# Altium PCB myAMP.PcbDoc
Units mm, origin at the board's own origin, x right, y up, seen from the top; angles counter-clockwise.
Board outline 94.49 x 110.62 mm, 2 copper layers (Top Layer, Bottom Layer); 116 components, 65 nets, 304 pads, 505 vias.
Unrouted connection lines stored in the file: 10.
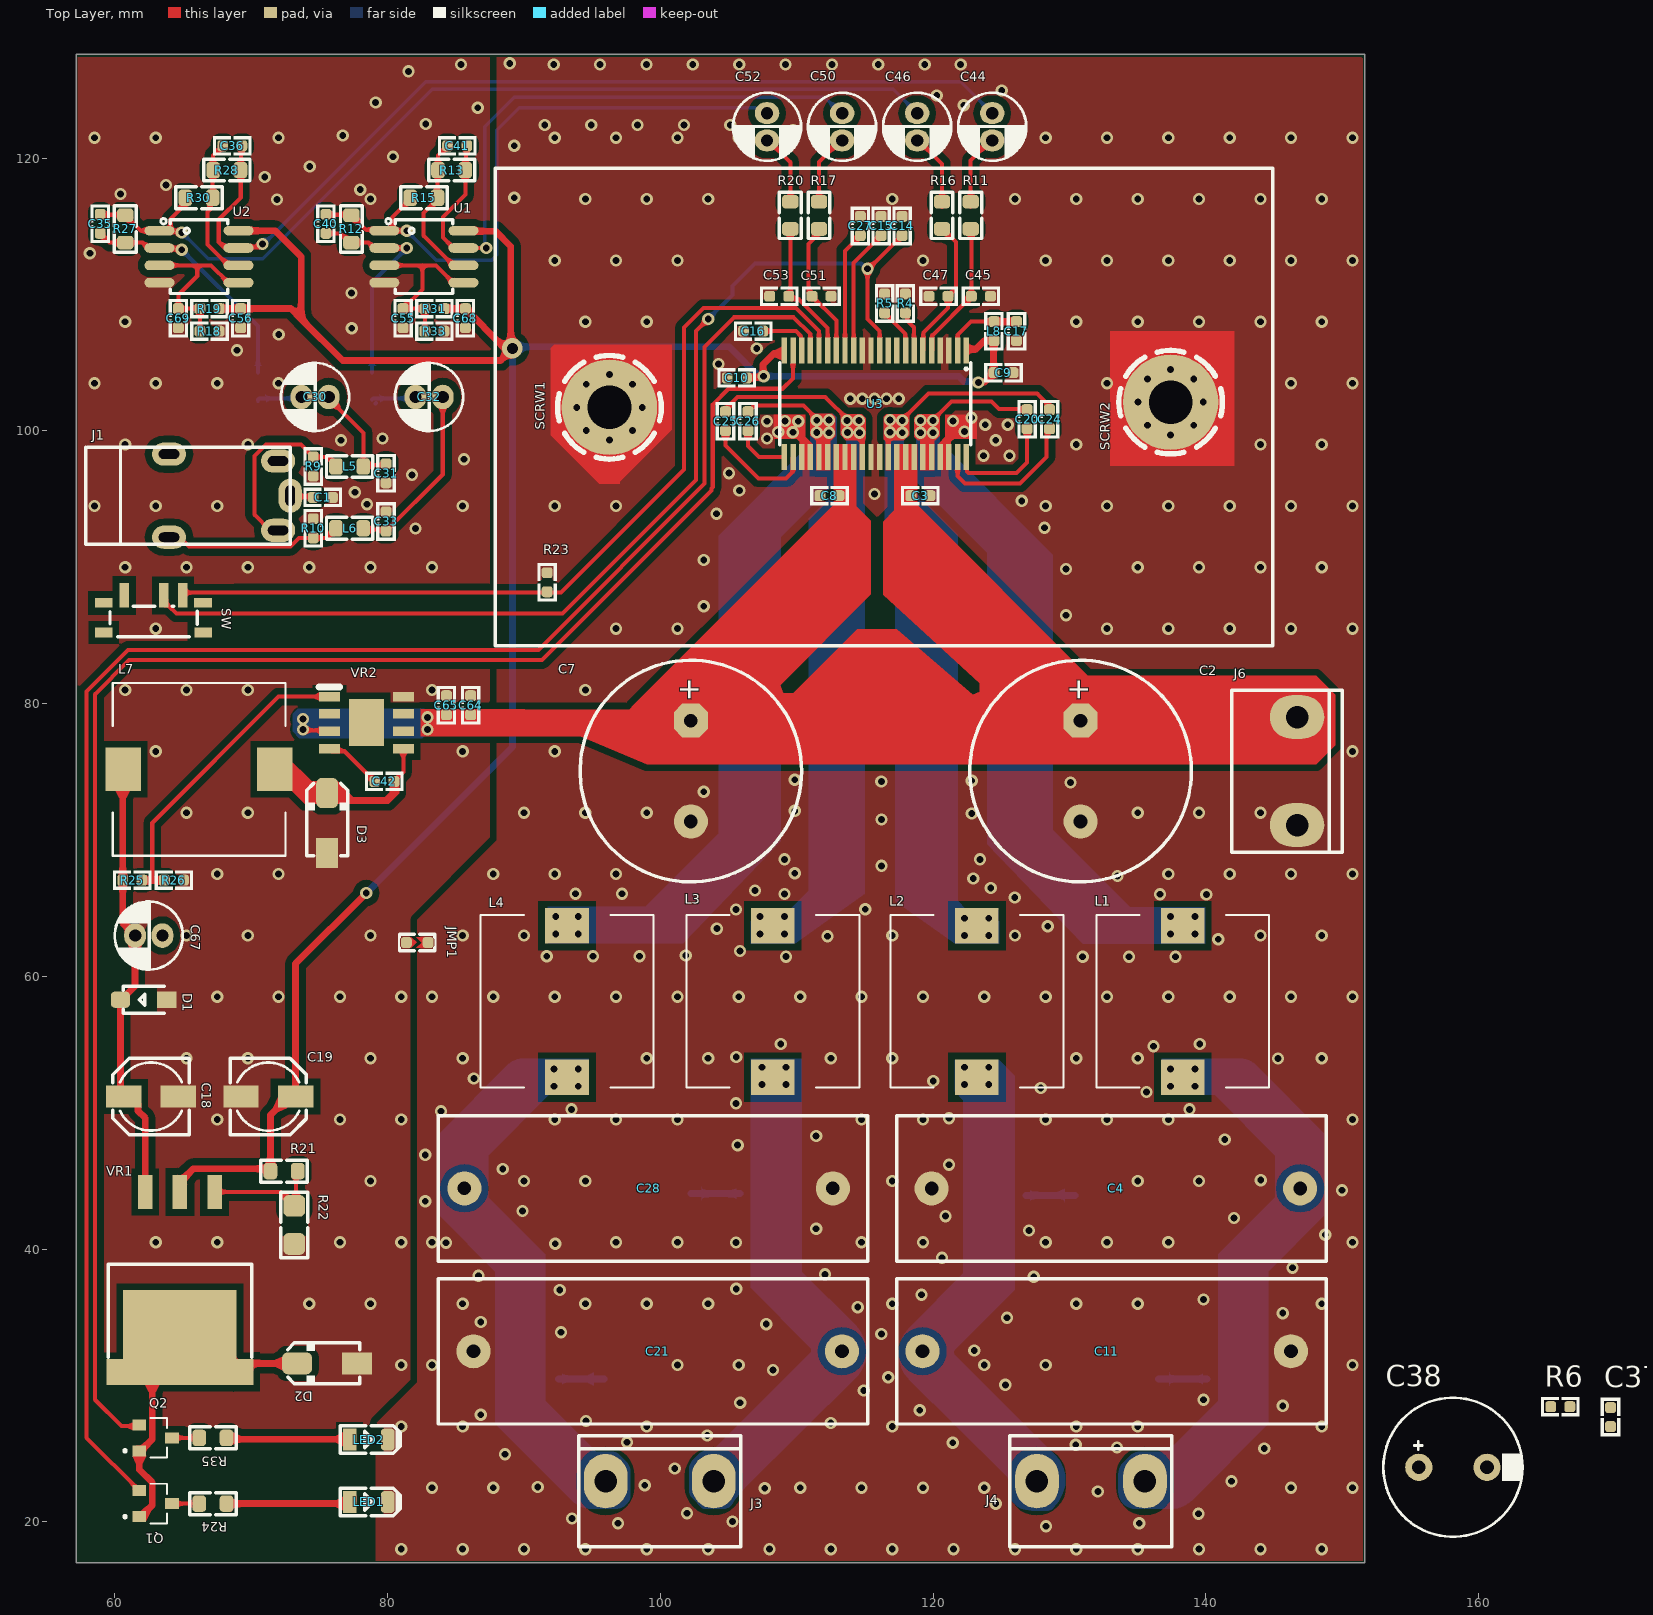
[diagram p0: Top Layer view]
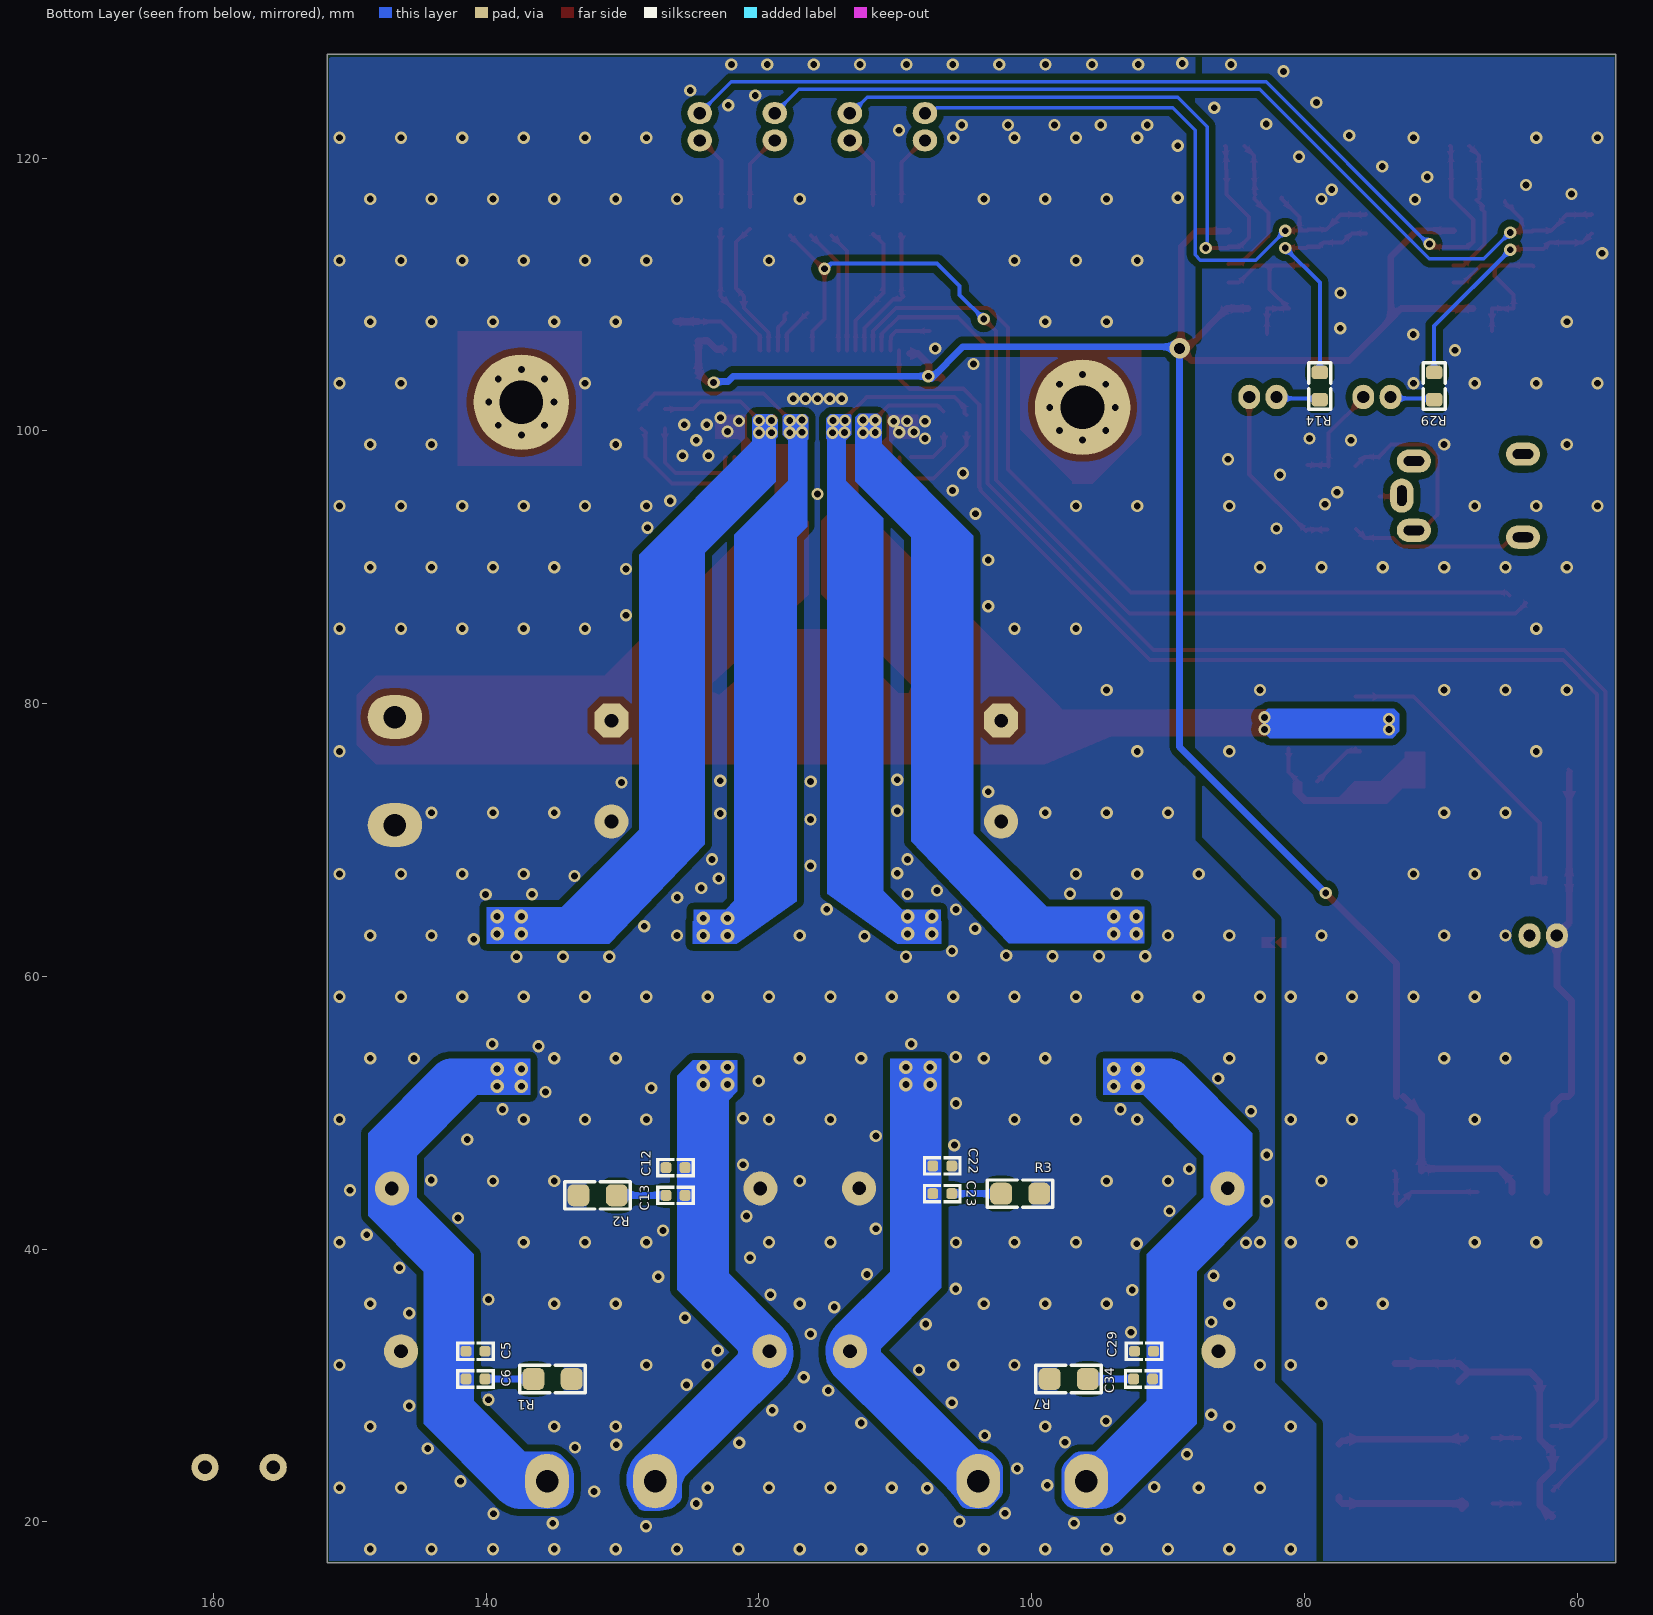
[diagram p1: Bottom Layer view, seen from below]
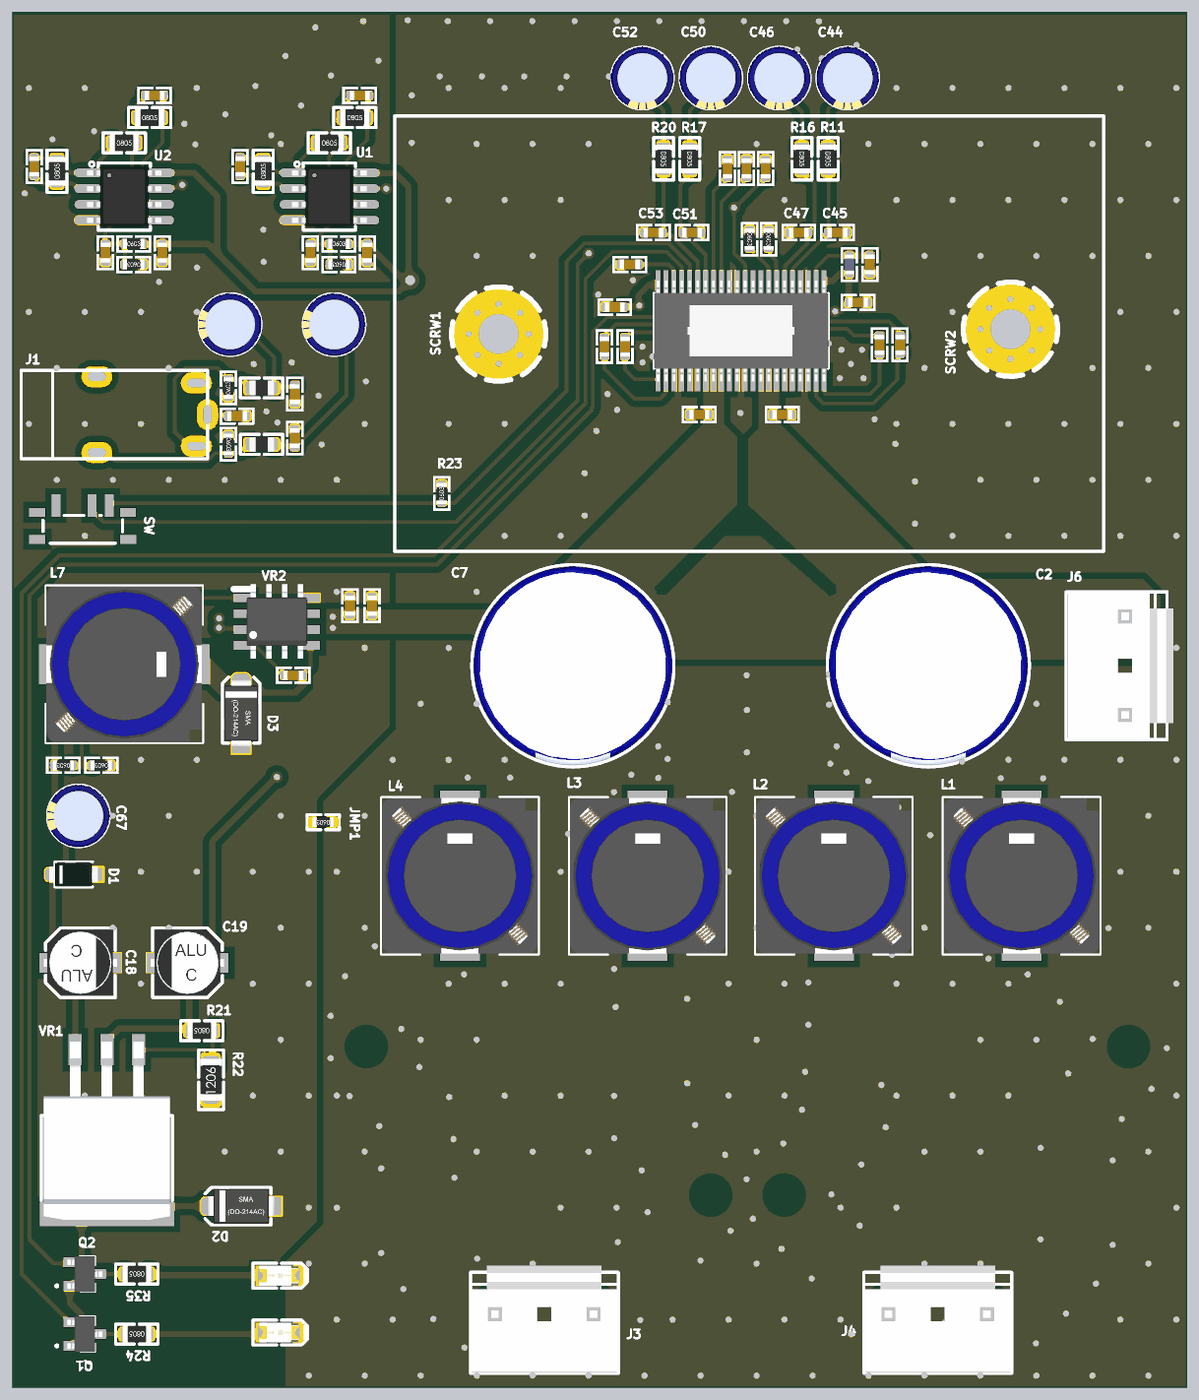
[diagram p2: 3D render of the assembled board from above, using the file's embedded part models]
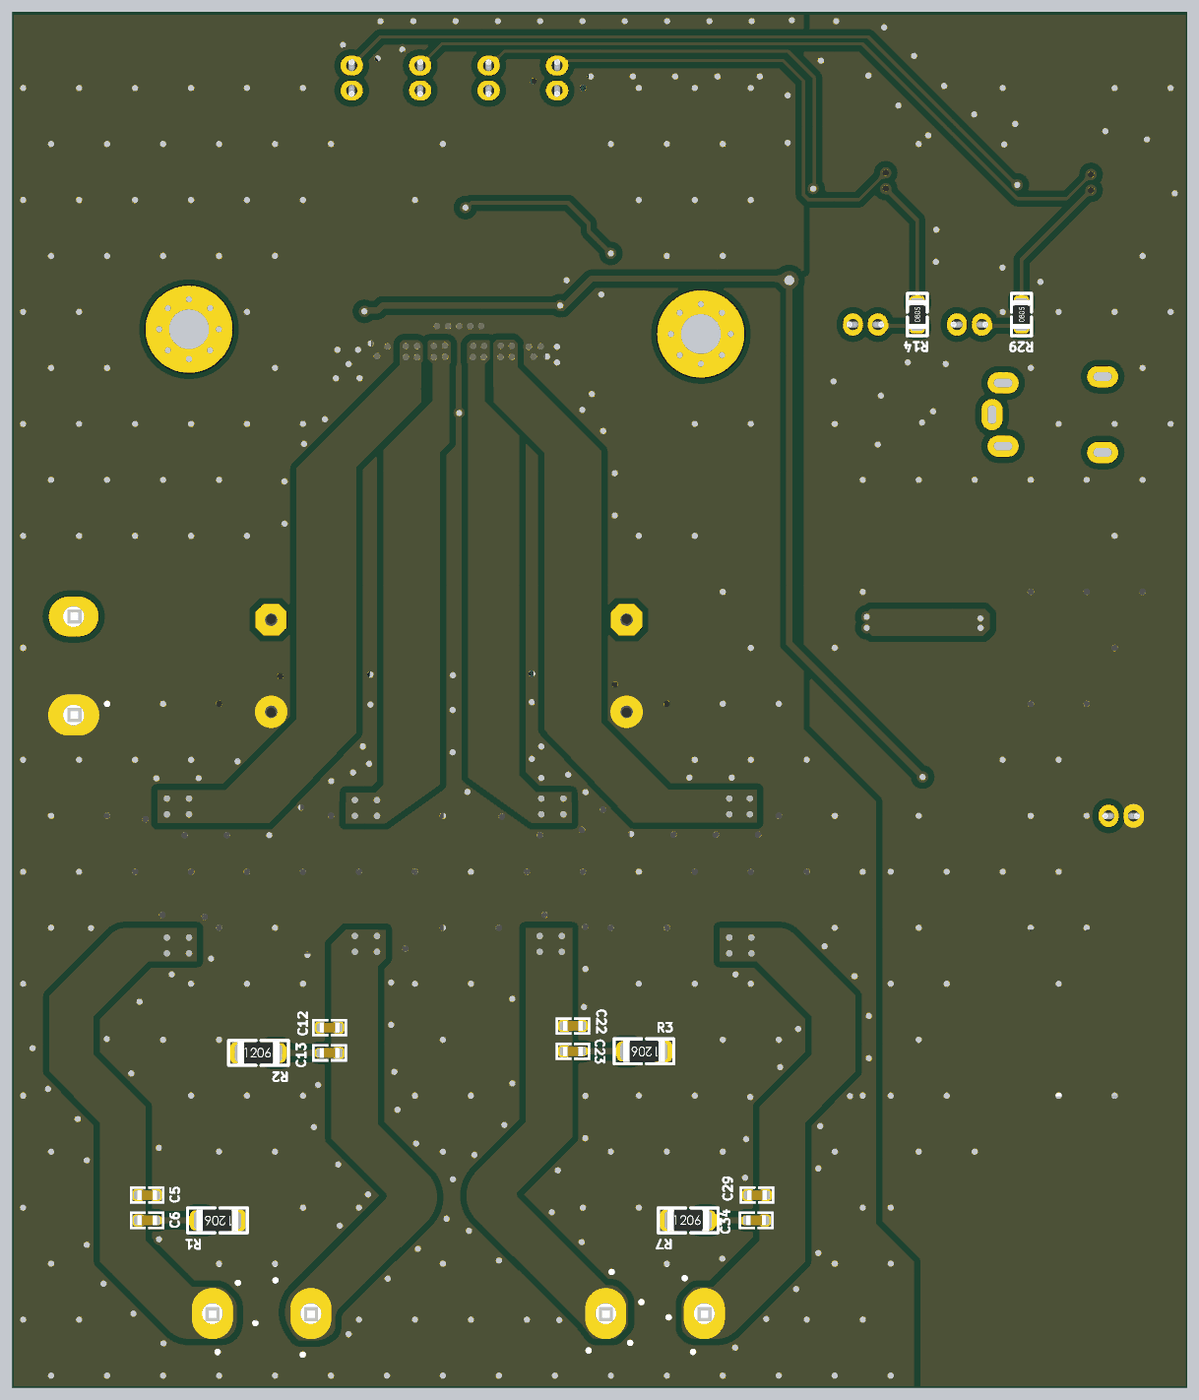
[diagram p3: 3D render of the assembled board from below, using the file's embedded part models]

## Layer stack, top to bottom
Top Solder: solder mask 0.0102, Solder Resist, Dk 3.5
Top Layer: signal copper 0.0356
Dielectric 1: dielectric 0.32, FR-4, Dk 4.8
Bottom Layer: signal copper 0.0356
Bottom Solder: solder mask 0.0102, Solder Resist, Dk 3.5

## Board outline
57.15,17.018 57.15,127.635 151.638,127.635 151.638,17.018

## Design rules (kind name [scope] priority, off if disabled: settings)
Clearance [All] p1: gap=0.2 ignorepadtopadclearanceinfootprint=TRUE except(0.3: Arc-Track Track-Track; 0.5: Arc-Poly Track-Poly SMDPad-Poly THPad-Poly Via-Poly Fill-Poly Poly-Poly Poly-Region Poly-Text Poly-Hole)
Height [All] p1 off: minheight=0 maxheight=25.4 prefheight=12.7
PolygonConnect [All] p1: connectstyle=Direct reliefconductorwidth=0.254 reliefentries=4 polygonreliefangle="90 Angle" airgapwidth=0.254
RoutingVias [All] p1: holewidth=0.5 width=0.9 viastyle="Through Hole" minholewidth=0.5 minwidth=0.9 maxholewidth=0.5 maxwidth=0.9
SolderMaskExpansion [All] p1: expansion=0.05 istentingtop=FALSE
SupplyNets "Schematic Supply Nets_4" [InNet('GNDB')] p1: voltage=0.000
SupplyNets "Schematic Supply Nets_3" [InNet('+36')] p2: voltage=0.000
SupplyNets "Schematic Supply Nets_2" [InNet('GNDA')] p3: voltage=0.000
SupplyNets "Schematic Supply Nets_1" [InNet('+13.5')] p4: voltage=0.000
SupplyNets "Schematic Supply Nets" [InNet('+12')] p5: voltage=0.000
Width [All] p1: maxlimit=0.5 minlimit=0.254 preferedwidth=0.3 minimp=50.000000 maximp=50.000000 favimp=50.000000
29 further rules are at their usual default settings.

## Classes and differential pairs
net class VR2_Nets: +36 FB GNDA NetC42_1 NetC42_2 NetVR2_2 NetVR2_6 NetVR2_7 NetVR2_9
net class VR1_Nets: +12 +13.5 NetR21_1
net class U3_Nets: +12 +36 AMP_CLIP AMP_FAULT AMP_RESET AUDIO_TPAIN_L_M AUDIO_TPAIN_L_P AUDIO_TPAIN_R_M AUDIO_TPAIN_R_P AUDIO_W_L_M++ AUDIO_W_L_P++ AUDIO_W_R_M++ AUDIO_W_R_P++ DVDD GNDB NetC15_1 NetC16_1 NetC17_1 NetC20_2 NetC24_2 NetC25_2 NetC26_2 NetC27_1 NetR4_2 NetR5_2 NetU3_9 NetU3_10
net class U2_Nets: +12 AUDIO_R_M AUDIO_R_P GNDA NetC35_2 NetC36_2 NetC69_1
net class U1_Nets: +12 AUDIO_L_M AUDIO_L_P GNDA NetC40_2 NetC41_2 NetC55_1
net class SW_Nets: AMP_RESET DVDD NetSW_3 NetSW_4
net class SCRW2_Nets: GNDB
net class SCRW1_Nets: GNDB
net class R35_Nets: NetLED2_1 NetQ2_3
net class R33_Nets: GNDA NetC55_1
net class R31_Nets: +12 NetC55_1
net class R30_Nets: AUDIO_R_M NetC36_2
net class R29_Nets: AUDIO_R+ NetC35_2
net class R28_Nets: AUDIO_R_P NetC36_2
net class R27_Nets: AUDIO_R_M NetC35_2
net class R26_Nets: FB GNDA
net class R25_Nets: +13.5 FB
net class R24_Nets: NetLED1_1 NetQ1_3
net class R23_Nets: AMP_RESET GNDB
net class R22_Nets: GNDA NetR21_1
net class R21_Nets: +12 NetR21_1
net class R20_Nets: AUDIO_TPAIN_L_M NetC52_2
net class R19_Nets: +12 NetC69_1
net class R18_Nets: GNDA NetC69_1
net class R17_Nets: AUDIO_TPAIN_L_P NetC50_2
net class R16_Nets: AUDIO_TPAIN_R_M NetC46_2
net class R15_Nets: AUDIO_L_M NetC41_2
net class R14_Nets: AUDIO_L+ NetC40_2
net class R13_Nets: AUDIO_L_P NetC41_2
net class R12_Nets: AUDIO_L_M NetC40_2
net class R11_Nets: AUDIO_TPAIN_R_P NetC44_2
net class R10_Nets: AUDIO_L GNDA
net class R9_Nets: AUDIO_R GNDA
net class R7_Nets: GNDB NetC34_2
net class R6_Nets: FB NetC37_1
net class R5_Nets: GNDB NetR5_2
net class R4_Nets: GNDB NetR4_2
net class R3_Nets: GNDB NetC23_2
net class R2_Nets: GNDB NetC13_2
net class R1_Nets: GNDB NetC6_2
net class Q2_Nets: AMP_CLIP DVDD NetQ2_3
net class Q1_Nets: AMP_FAULT DVDD NetQ1_3
net class LED2_Nets: GNDB NetLED2_1
net class LED1_Nets: GNDB NetLED1_1
net class L8_Nets: +12 NetC17_1
net class L7_Nets: +13.5 NetC42_2
net class L6_Nets: AUDIO_L NetC32_1
net class L5_Nets: AUDIO_R NetC30_1
net class L4_Nets: Audio_OUT_L_M AUDIO_W_L_M++
net class L3_Nets: Audio_OUT_L_P AUDIO_W_L_P++
net class L2_Nets: Audio_OUT_R_M AUDIO_W_R_M++
net class L1_Nets: Audio_OUT_R_P AUDIO_W_R_P++
net class JMP1_Nets: GNDA GNDB
net class J6_Nets: +36 GNDB
net class J4_Nets: Audio_OUT_R_M Audio_OUT_R_P
net class J3_Nets: Audio_OUT_L_M Audio_OUT_L_P
net class J1_Nets: AUDIO_L AUDIO_R NetC1_2 NetJ1_2
net class D3_Nets: GNDA NetC42_2
net class D2_Nets: +12 GNDA
net class D1_Nets: +13.5 GNDA
net class C69_Nets: GNDA NetC69_1
net class C68_Nets: +12 GNDA
net class C67_Nets: +13.5 GNDA
net class C65_Nets: +36 GNDA
net class C64_Nets: +36 GNDA
net class C56_Nets: +12 GNDA
net class C55_Nets: GNDA NetC55_1
net class C53_Nets: AUDIO_TPAIN_L_M GNDB
net class C52_Nets: AUDIO_L_M NetC52_2
net class C51_Nets: AUDIO_TPAIN_L_P GNDB
net class C50_Nets: AUDIO_L_P NetC50_2
net class C47_Nets: AUDIO_TPAIN_R_M GNDB
net class C46_Nets: AUDIO_R_M NetC46_2
net class C45_Nets: AUDIO_TPAIN_R_P GNDB
net class C44_Nets: AUDIO_R_P NetC44_2
net class C42_Nets: NetC42_1 NetC42_2
net class C41_Nets: AUDIO_L_P NetC41_2
net class C40_Nets: AUDIO_L_M NetC40_2
net class C38_Nets: +13.5 GNDA
net class C37_Nets: +13.5 NetC37_1
net class C36_Nets: AUDIO_R_P NetC36_2
net class C35_Nets: AUDIO_R_M NetC35_2
net class C34_Nets: Audio_OUT_L_M NetC34_2
net class C33_Nets: GNDA NetC32_1
net class C32_Nets: AUDIO_L+ NetC32_1
net class C31_Nets: GNDA NetC30_1
net class C30_Nets: AUDIO_R+ NetC30_1
net class C29_Nets: Audio_OUT_L_M GNDB
net class C28_Nets: Audio_OUT_L_M GNDB
net class C27_Nets: GNDB NetC27_1
net class C26_Nets: AUDIO_W_L_M++ NetC26_2
net class C25_Nets: AUDIO_W_L_P++ NetC25_2
net class C24_Nets: AUDIO_W_R_M++ NetC24_2
net class C23_Nets: Audio_OUT_L_P NetC23_2
net class C22_Nets: Audio_OUT_L_P GNDB
net class C21_Nets: Audio_OUT_L_P GNDB
net class C20_Nets: AUDIO_W_R_P++ NetC20_2
net class C19_Nets: +12 GNDA
net class C18_Nets: +13.5 GNDA
net class C17_Nets: GNDB NetC17_1
net class C16_Nets: GNDB NetC16_1
net class C15_Nets: GNDB NetC15_1
net class C14_Nets: DVDD GNDB
net class C13_Nets: Audio_OUT_R_M NetC13_2
net class C12_Nets: Audio_OUT_R_M GNDB
net class C11_Nets: Audio_OUT_R_M GNDB
net class C10_Nets: +12 GNDB
net class C9_Nets: +12 GNDB
net class C8_Nets: +36 GNDB
net class C7_Nets: +36 GNDB
net class C6_Nets: Audio_OUT_R_P NetC6_2
net class C5_Nets: Audio_OUT_R_P GNDB
net class C4_Nets: Audio_OUT_R_P GNDB
net class C3_Nets: +36 GNDB
net class C2_Nets: +36 GNDB
net class C1_Nets: GNDA NetC1_2

## Components (designator, comment, footprint, x,y, rotation, side; value= is the part's Value field where it differs from the comment)
C1 "220pF" C_0603_2 75.246,95.123 r180 top
C2 "" C_16X40 130.81,75.057 r270 top value="2700uF 50V"
C3 "1uF" C_0603_2 119.064,95.25 r0 top
C4 "" C_MKP_THT -406.813,41.023 r180 top value="1uF 250V"
C5 "" C_0603_2 140.781,32.512 r180 bottom value="1000pF 50V"
C6 "GRM1885C1H103JA01D" C_0603_2 140.781,30.48 r180 bottom value="10000pF 50V"
C7 "a" C_16X40 102.235,75.057 r270 top value="2700uF 50V"
C8 "1uF" C_0603_2 112.395,95.25 r180 top
C9 "100nF" C_0603_2 125.16,104.267 r0 top
C10 "100nF" C_0603_2 105.602,103.886 r180 top
C11 "PHE426HD7100JR06L2" C_MKP_THT 672.941,35.939 r0 top value="1uF 250V"
C12 "" C_0603_2 126.111,45.974 r0 bottom value="1000pF 50V"
C13 "GRM1885C1H103JA01D" C_0603_2 126.111,43.942 r0 bottom value="10000pF 50V"
C14 "1uF" C_0603_2 117.729,115.027 r90 top
C15 "1uF" C_0603_2 116.186,115.027 r90 top
C16 "100nF" C_0603_2 106.807,107.315 r180 top
C17 "100nF" C_0603_2 126.111,107.315 r270 top
C18 "10uF" C_EL_5 62.643,51.188 r0 top value="470uF 50V"
C19 "10uF" C_EL_5 71.247,51.181 r180 top value="470uF 50V"
C20 "33nF" C_0603_2 126.89,100.857 r270 top
C21 "PHE426HD7100JR06L2" C_MKP_THT -440.404,29.081 r180 top locked value="1uF 250V"
C22 "" C_0603_2 106.553,46.101 r180 bottom value="1000pF 50V"
C23 "GRM1885C1H103JA01D" C_0603_2 106.553,44.069 r180 bottom value="10000pF 50V"
C24 "33nF" C_0603_2 128.541,100.857 r270 top
C25 "33nF" C_0603_2 104.775,100.711 r270 top
C26 "33nF" C_0603_2 106.426,100.711 r270 top
C27 "47nF" C_0603_2 114.662,115.027 r90 top
C28 "PHE426HD7100JR06L2" C_MKP_THT 639.35,47.881 r0 top value="1uF 250V"
C29 "" C_0603_2 91.756,32.512 r0 bottom value="1000pF 50V"
C30 "10uF" C_5X11 74.676,102.489 r270 top
C31 "15pF" C_0603_2 79.883,96.892 r90 top
C32 "10uF" C_5X11 83.042,102.489 r270 top
C33 "15pF" C_0603_2 79.883,93.356 r270 top
C34 "GRM1885C1H103JA01D" C_0603_2 91.821,30.48 r0 bottom value="10000pF 50V"
C35 "22pF" C_0603_2 58.928,115.189 r270 top value=15pF
C36 "22pF" C_0603_2 68.607,120.904 r180 top value=15pF
C37 "100nF" C_0603_2 169.672,27.686 r90 top value=10uF
C38 "470uF" C_10X12 158.115,24.003 r0 top value=10uF
C40 "22pF" C_0603_2 75.476,115.189 r270 top value=15pF
C41 "22pF" C_0603_2 85.098,120.904 r180 top value=15pF
C42 "Cap" C_0603_2 79.756,74.295 r0 top value=100nF
C44 "10uF" C_5X11 124.333,122.301 r0 top
C45 "100pF" C_0603_2 123.501,109.874 r0 top value=10uF
C46 "10uF" C_5X11 118.83,122.301 r0 top
C47 "100pF" C_0603_2 120.396,109.874 r180 top value=10uF
C50 "10uF" C_5X11 113.326,122.301 r0 top
C51 "100pF" C_0603_2 111.817,109.874 r0 top value=10uF
C52 "10uF" C_5X11 107.823,122.301 r0 top
C53 "100pF" C_0603_2 108.712,109.874 r180 top value=10uF
C55 "Cap" C_0603_2 81.134,108.266 r270 top value=100nF
C56 "10uF" C_0603_2 69.223,108.266 r270 top
C64 "Cap" C_0603_2 86.087,79.883 r90 top value=2.2uF
C65 "Cap" C_0603_2 84.309,79.883 r90 top value=2.2uF
C67 "10uF" C_5X11 62.484,62.992 r270 top
C68 "10uF" C_0603_2 85.706,108.266 r270 top
C69 "Cap" C_0603_2 64.651,108.266 r270 top value=100nF
D1 "15V" D_SOD123 62.103,58.293 r180 top
D2 "13V" DO-214AC 75.565,31.623 r180 top
D3 "Schottky 100V/1A" DO-214AC 75.565,71.247 r90 top
J1 "PJ-321B" J_PJ-321B 66.888,95.123 r180 top
J3 "VH3P2" VH3_2 99.949,22.987 r0 top
J4 "VH3P2" VH3_2 131.572,22.987 r0 top
J6 "VH3P2" VH3_2 146.685,75.057 r270 top
JMP1 "" JUMPER_0603 82.169,62.484 r180 top
L1 "MA5172" L_SLF12565 138.303,58.166 r270 top value=10uH
L2 "MA5172" L_SLF12565 123.212,58.166 r270 top value=10uH
L3 "MA5172" L_SLF12565 108.248,58.166 r270 top value=10uH
L4 "MA5172" L_SLF12565 93.156,58.166 r270 top value=10uH
L5 "15nH" L_0805 77.216,97.392 r0 top
L6 "15nH" L_0805 77.216,92.856 r0 top
L7 "Inductor" L_SLF12565 66.167,75.184 r180 top value=47uH
L8 "10uH" L_0603_2 124.46,107.315 r90 top
LED1 "LED RED" LED_1206_RED 78.613,21.463 r0 top
LED2 "LED RED" LED_1206_RED 78.613,26.035 r0 top
Q1 "DTA143EKA" TRANS_DTC113ZKAT146 62.992,21.336 r0 top
Q2 "DTA143EKA" TRANS_DTC113ZKAT146 62.992,26.162 r0 top
R1 "3.3" R_1206 135.128,30.48 r0 bottom
R2 "3.3" R_1206 131.826,43.942 r180 bottom
R3 "3.3" R_1206 100.838,44.069 r0 bottom
R4 "22K" R_0603_2 117.964,109.347 r270 top
R5 "30K" R_0603_2 116.44,109.347 r270 top
R6 "Res1" R_0603_2 165.989,28.448 r0 top value=8.6K
R7 "3.3" R_1206 97.282,30.48 r180 bottom
R9 "100K" R_0603_2 74.546,97.392 r90 top
R10 "100K" R_0603_2 74.546,92.856 r270 top
R11 "100 0.1%" R_0805 122.755,115.808 r270 top value=100
R12 "10K 0.1%" R_0805 77.343,114.808 r90 top value=100
R13 "10K 0.1%" R_0805 84.698,119.126 r0 top value=100
R14 "10K 0.1%" R_0805 78.867,103.289 r90 bottom value=100
R15 "10K 0.1%" R_0805 82.659,117.094 r0 top value=100
R16 "100 0.1%" R_0805 120.65,115.808 r270 top value=100
R17 "100 0.1%" R_0805 111.633,115.808 r270 top value=100
R18 "Res Semi" R_0603_2 66.937,107.312 r180 top value="10K 0.1%"
R19 "Res Semi" R_0603_2 66.937,108.966 r0 top value="10K 0.1%"
R20 "100 0.1%" R_0805 109.528,115.808 r270 top value=100
R21 "Res1" R_0805 72.406,45.72 r180 top value="1K 0.1%"
R22 "Res1" R_1206 73.152,41.78 r90 top value="8.66K 0.1%"
R23 "10K" R_0603_2 91.694,88.9 r90 top value=22K
R24 "4.7K" R_0805 67.183,21.336 r180 top value=22K
R25 "Res1" R_0603_2 61.279,67.056 r180 top value=510K
R26 "Res1" R_0603_2 64.327,67.056 r180 top value=7.5K
R27 "10K 0.1%" R_0805 60.76,114.808 r90 top value=100
R28 "10K 0.1%" R_0805 68.207,119.126 r0 top value=100
R29 "10K 0.1%" R_0805 70.485,103.289 r90 bottom value=100
R30 "10K 0.1%" R_0805 66.167,117.094 r0 top value=100
R31 "Res Semi" R_0603_2 83.428,108.966 r0 top value="10K 0.1%"
R33 "Res Semi" R_0603_2 83.428,107.312 r180 top value="10K 0.1%"
R35 "4.7K" R_0805 67.183,26.162 r180 top value=22K
SCRW1 "SCREW" HOLE_3M 96.266,101.727 r90 top locked
SCRW2 "SCREW" HOLE_3M 137.414,102.108 r90 top locked
SW "MSS12C02LS-BB2.0" PCBComponent_1 65.412,79.002 r180 top
U1 "OPA1612AID" SO8_2 82.659,112.776 r0 top
U2 "OPA1612AID" SO8_2 66.167,112.776 r0 top
U3 "TPA3255" HTSSOP44_T 115.76,101.981 r270 top locked
VR1 "Volt Reg" D2PAK 64.77,44.196 r90 top
VR2 "MP9486AGN-Z" SOIC127P600X170-9N 78.441,78.613 r0 top

## Footprints (in the part's own frame and the unit in brackets; to place one, negate y for a bottom-side part, rotate by r counter-clockwise, add the part's x,y. Pads: shape width x height; smd on the part's side, far side on the other; paste and mask are expansions set on the pad)
C_5X11 [mm]
  oval 1.8x1.6 hole 0.9: 1(0,1) 2(0,-1)
  silkscreen extent -2.5,-2.5 2.5,2.5, body extent -2.54,-2.54 2.54,2.54, height 12.01
C_10X12 [mm] "Cap Elec, D10.0X12.0H pitch: 5.0mm"
  round 2 hole 1: 1(-2.5,0) 2(2.5,0)
  silkscreen extent -5.1,-5.1 5.1,5.1, body extent -5.07,-5.08 5.05,5.04, height 13.7
C_16X40 [mm]
  oct 2.5x2.5 hole 1: 1(-3.7,0)
  round 2.5 hole 1: 2(3.7,0)
  silkscreen extent -8.12,-8.12 8.12,8.13, body extent -8,-8 8,8, height 40.01
C_0603_2 [mm] "CHIP Capacitor, 1.6X0.8mm, 0603 OPTIMIZED"
  rrect50% 0.8x0.8 smd paste-5 mask+0.075: 1(-0.7,0) 2(0.7,0)
  Top Layer pour cut-out: -0.5,0.4 0.5,0.4 0.5,-0.4 -0.5,-0.4
  silkscreen extent -1.4,-0.7 1.4,0.7, body extent -0.8,-0.4 0.8,0.4, height 0.9
C_EL_5 [mm] "Electrolytic Cap, D: 5.0mm, L: 5.8mm, Size C"
  rect 2.6x1.6 smd: 1(-2,0) 2(2,0)
  silkscreen extent -2.8,-2.81 2.8,2.8, body extent -2.95,-2.65 2.95,2.65, height 5.41